# Altium PCB Excavator_PCB.PcbDoc
Units mm, origin at the board's own origin, x right, y up, seen from the top; angles counter-clockwise.
Board outline 89 x 93 mm, 2 copper layers (Top Layer, Bottom Layer); 49 components, 52 nets, 179 pads, 22 vias.
Unrouted connection lines stored in the file: 3.
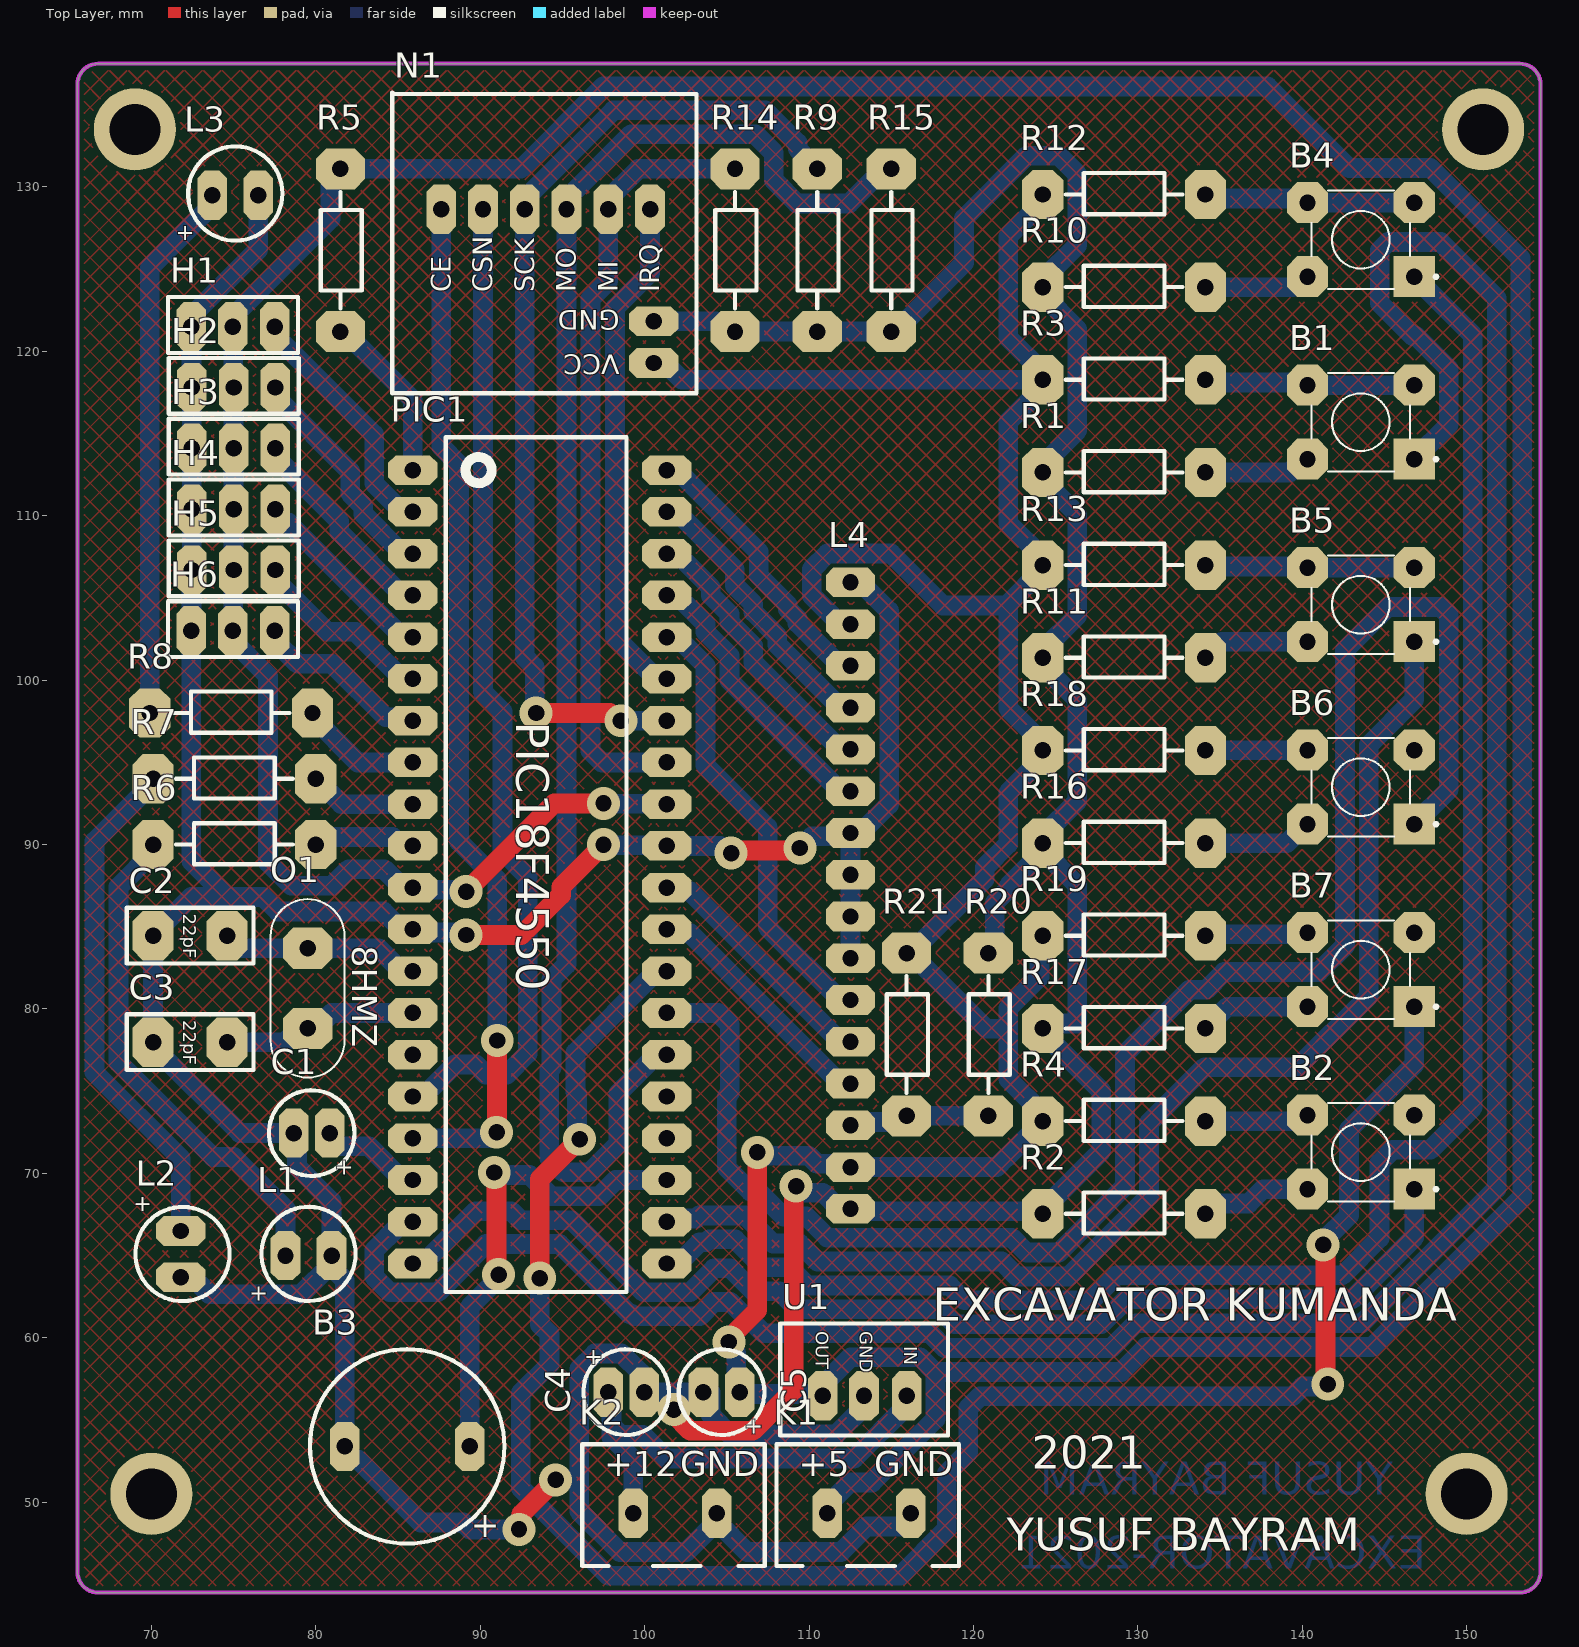
[diagram p0: Top Layer view]
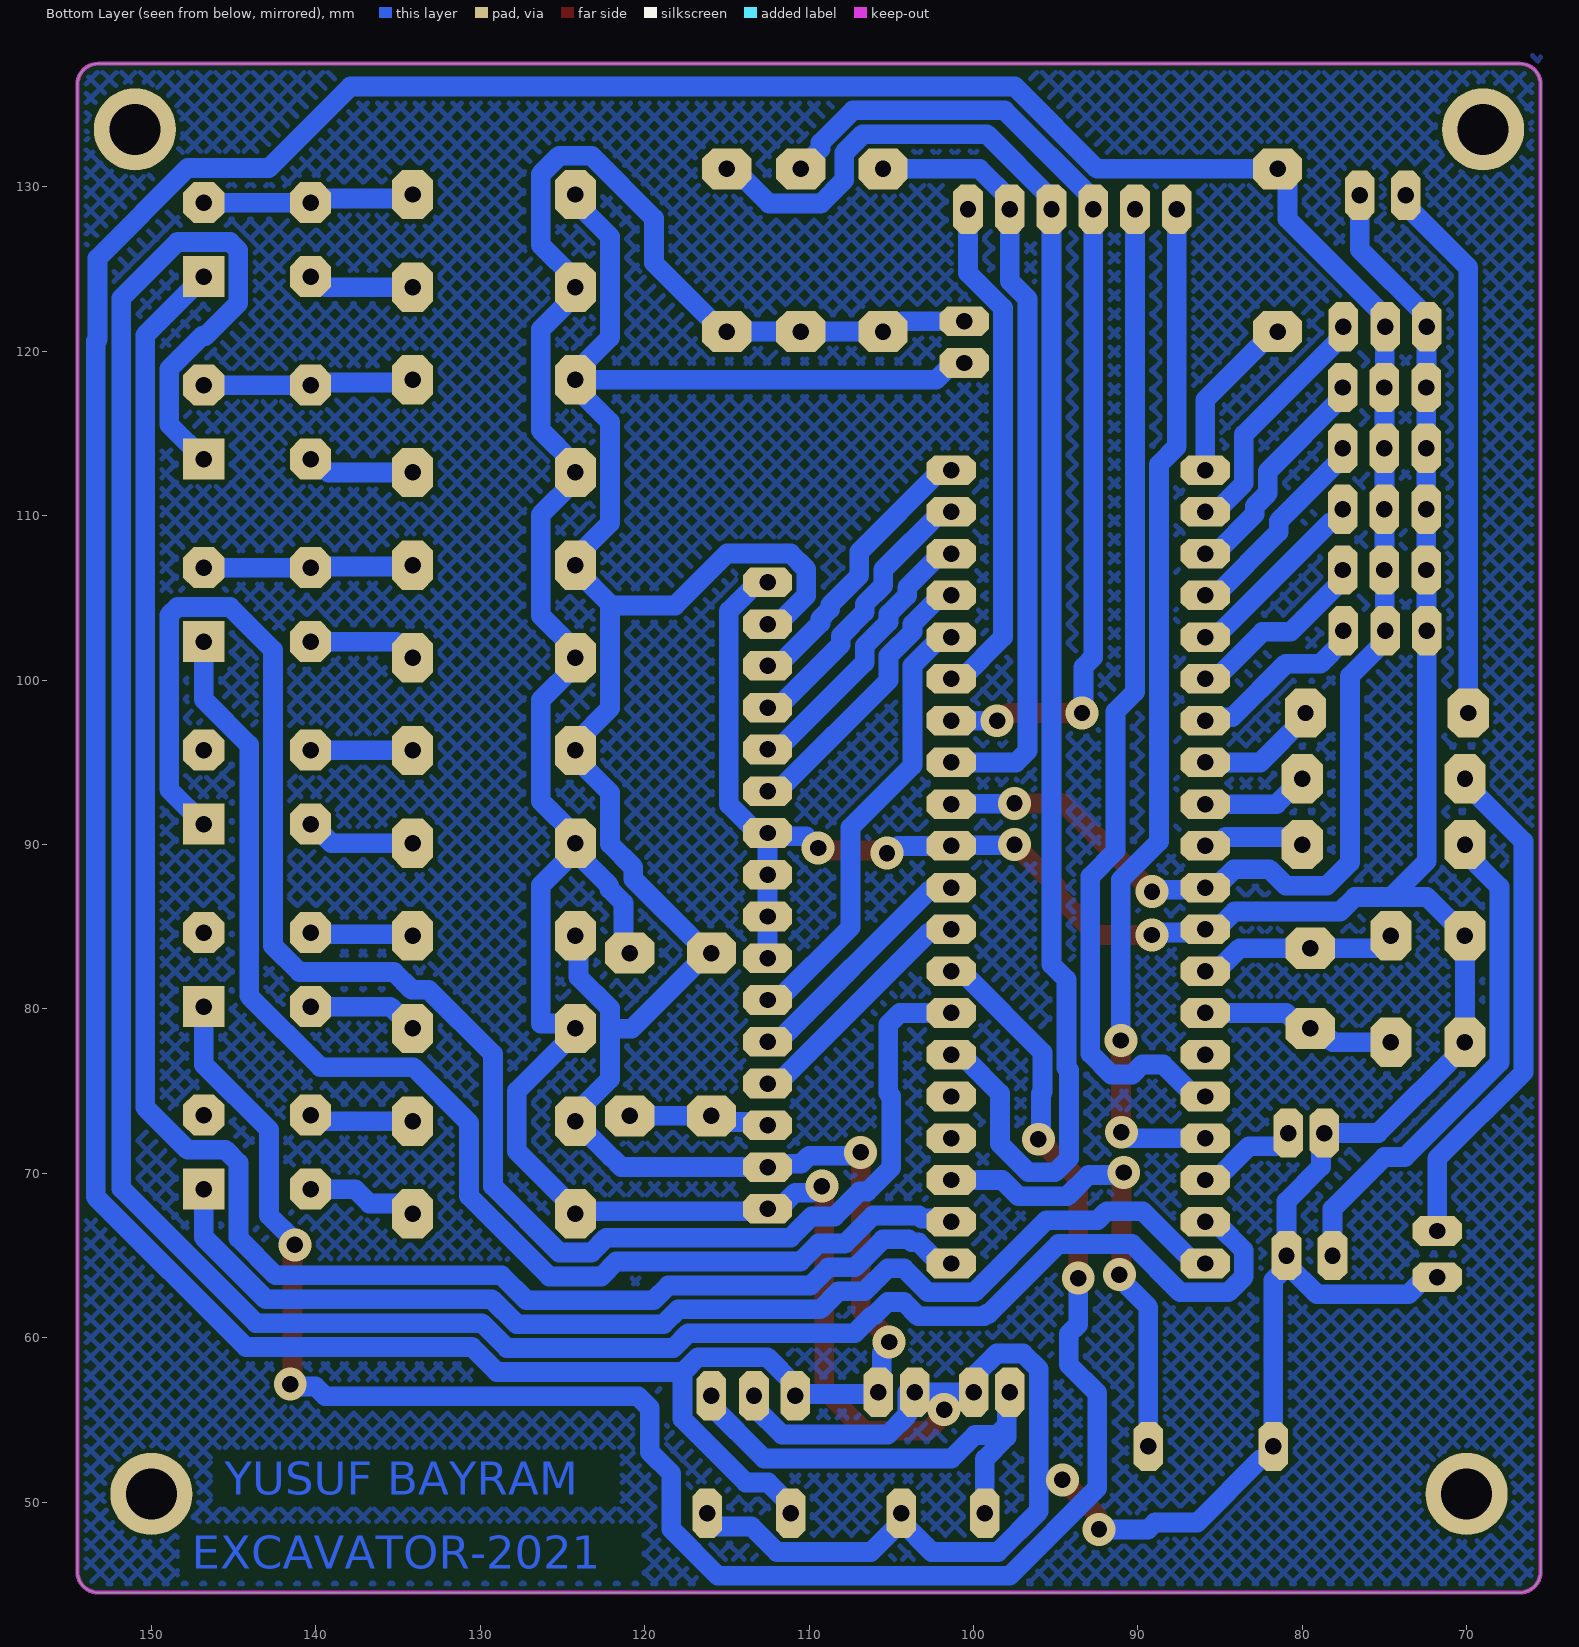
[diagram p1: Bottom Layer view, seen from below]
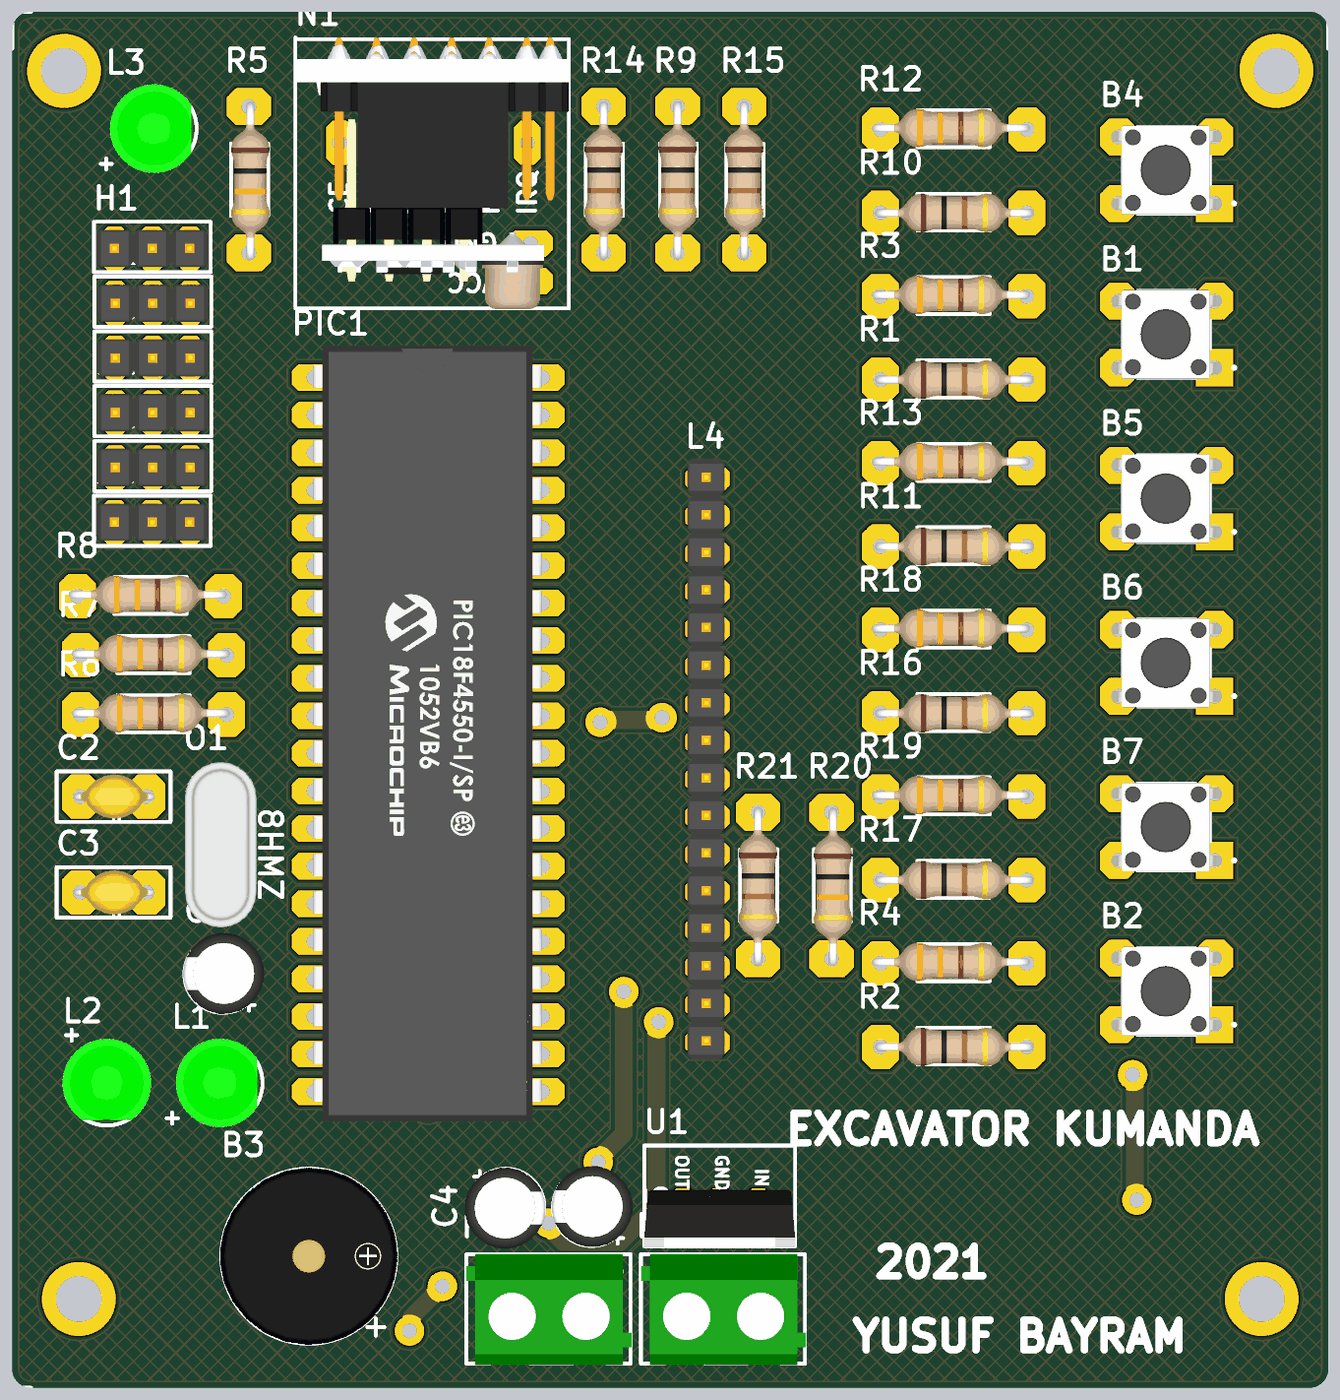
[diagram p2: 3D render of the assembled board from above, using the file's embedded part models]

## Layer stack, top to bottom
Top Solder: solder mask 0.0102, Solder Resist, Dk 3.5
Top Layer: signal copper 0.0356
Dielectric 1: dielectric 0.32, FR-4, Dk 4.8
Bottom Layer: signal copper 0.0356
Bottom Solder: solder mask 0.0102, Solder Resist, Dk 3.5

## Board outline
65.5,45.77 ccw(c66.77,45.77) 66.77,44.5 153.23,44.5 ccw(c153.23,45.77) 154.5,45.77 154.5,136.23 ccw(c153.23,136.23) 153.23,137.5 66.77,137.5 ccw(c66.77,136.23) 65.5,136.23

## Design rules (kind name [scope] priority, off if disabled: settings)
Clearance [All] p1: gap=0.254 ignorepadtopadclearanceinfootprint=FALSE except(0: Arc-Hole Track-Hole SMDPad-Hole THPad-Hole Via-Hole Fill-Hole Poly-Hole Region-Hole Text-Hole)
Height [All] p1: minheight=0 maxheight=50.8 prefheight=12.7
PolygonConnect [All] p1: connectstyle=Relief reliefconductorwidth=0.254 reliefentries=4 polygonreliefangle="90 Angle" airgapwidth=0.254
RoutingVias [All] p1: holewidth=0.711 width=1.27 viastyle="Through Hole" minholewidth=0.711 minwidth=1.27 maxholewidth=0.711 maxwidth=1.27
SolderMaskExpansion [All] p1: expansion=0.102 istentingtop=FALSE
Width [All] p1: maxlimit=3 minlimit=0.254 preferedwidth=1
29 further rules are at their usual default settings.

## Components (designator, comment, footprint, x,y, rotation, side; value= is the part's Value field where it differs from the comment)
B1 "BUTTON" BUTTON 146.771,113.495 r180 top
B2 "BUTTON" BUTTON 146.771,69.095 r180 top
B3 "BUZZER" buzzer 85.557,53.391 r180 top
B4 "BUTTON" BUTTON 146.771,124.595 r180 top
B5 "BUTTON" BUTTON 146.771,102.395 r180 top
B6 "BUTTON" BUTTON 146.771,91.295 r180 top
B7 "BUTTON" BUTTON 146.771,80.195 r180 top
C1 "0.47uF" CAP 82.15,75.05 r180 top
C2 "22pF" 22pF 73.504,84.455 r180 top
C3 "22pF" 22pF 73.504,77.978 r180 top
C4 "33uF" CAP 96.479,54.093 r0 top
C5 "22uF" CAP 107.08,59.293 r180 top
H1 "POT" HEADER1x3 72.42,121.5 r0 top
H2 "POT" HEADER1x3 72.46,117.8 r0 top
H3 "POT" HEADER1x3 72.46,114.1 r0 top
H4 "POT" HEADER1x3 72.46,110.4 r0 top
H5 "POT" HEADER1x3 72.46,106.7 r0 top
H6 "POT" HEADER1x3 72.42,103 r0 top
K1 "2LI" klemens2li 111.114,49.327 r0 top
K2 "2LI" klemens12V 99.306,49.327 r0 top
L1 "LED" LED_GREEN 85.658,65.1 r180 top
L2 "LED" LED_GREEN 71.892,58.993 r90 top
L3 "LED" LED_GREEN 81.2,129.6 r180 top
L4 "LCD" LCD_Header 112.422,67.943 r90 top
N1 "NRF" NRF24L01 102.15,103.251 r90 top
O1 "8MHZ" 8MHZ 79.472,81.3 r270 top
PIC1 "PIC" PIC18F4550 85.904,112.776 r270 top
R1 "4.7K" 1K_RES 125.315,113.132 r0 top
R2 "4.7K" 1K_RES 125.315,68.041 r0 top
R3 "330" 330_RES 125.315,118.768 r0 top
R4 "330" 330_RES 125.315,73.678 r0 top
R5 "10K" 10K_RES 82,130 r270 top
R6 "330" 330_RES 71.2,90.5 r0 top
R7 "330" 330_RES 71.2,94.5 r0 top
R8 "330" 330_RES 71,98.5 r0 top
R9 "1K" 1K_RES 111,130 r270 top
R10 "4.7K" 1K_RES 125.315,124.405 r0 top
R11 "4.7K" 1K_RES 125.315,101.859 r0 top
R12 "330" 330_RES 125.315,130.041 r0 top
R13 "330" 330_RES 125.315,107.496 r0 top
R14 "1K" 1K_RES 106,130 r270 top
R15 "1K" 1K_RES 115.5,130 r270 top
R16 "4.7K" 1K_RES 125.315,90.587 r0 top
R17 "4.7K" 1K_RES 125.315,79.314 r0 top
R18 "330" 330_RES 125.315,96.223 r0 top
R19 "330" 330_RES 125.315,84.95 r0 top
R20 "10K" 10K_RES 121.412,82.296 r270 top
R21 "1K" 1K_RES 116.434,82.296 r270 top
U1 "7805" 7805 112.246,58.464 r180 top

## Footprints (in the part's own frame and the unit in brackets; to place one, negate y for a bottom-side part, rotate by r counter-clockwise, add the part's x,y. Pads: shape width x height; smd on the part's side, far side on the other; paste and mask are expansions set on the pad)
1K_RES [mm]
  oct 2.5x3 hole 1: 1(-1.1,-0.5) 2(8.8,-0.5)
  silkscreen extent 0.3,-1.7 7.4,0.8, body extent -1.45,-1.8 9.26,0.8, height 2.69
8MHZ [mm]
  oct 2.5x3 hole 1: 1(-2.393,0.03) 2(2.487,0.03)
  silkscreen extent -5.38,-2.22 5.47,2.28, body extent -5.5,-2.3 5.7,2.55, height 4
10K_RES [mm]
  oct 2.5x3 hole 1: 1(-1.1,-0.5) 2(8.8,-0.5)
  silkscreen extent 0.3,-1.7 7.4,0.8, body extent -1.4,-1.7 9.31,0.9, height 2.7
22pF [mm]
  oct 2.5x3 hole 1: 1(-1.1,0) 2(3.4,0)
  silkscreen extent -2.7,-1.7 5,1.7, body extent -1.62,-1.5 3.82,1.5, height 4.47
330_RES [mm]
  oct 2.5x3 hole 1: 1(-1.1,-0.5) 2(8.8,-0.5)
  silkscreen extent 0.3,-1.7 7.4,0.8, body extent -1.71,-1.7 9,0.9, height 2.7
7805 [mm]
  oct 1.8x3 hole 1: 1(-3.7,2) 2(-1.1,2) 3(1.4,2)
  silkscreen extent -6.2,-2.4 4,4.4, body extent -6.21,0.55 4.01,4.5, height 20.55
BUTTON [mm]
  rect 2.5x2.5 hole 1: 1(-0.044,0.054)
  oct 2.5x2.5 hole 0.99: 2(6.456,0.054) 3(-0.044,-4.446) 4(6.456,-4.446)
  silkscreen extent -1.47,-5.19 6.2,0.8, body extent -0.59,-5.2 7.1,0.8, height 4.95
buzzer [mm]
  oct 1.8x3 hole 1: N(3.8,0) P(-3.8,0)
  silkscreen extent -5.91,-5.91 5.91,5.91, body extent -6,-6 6,6, height 9.5
CAP [mm]
  oct 1.8x3 hole 1: N(3.5,2.6) P(1.3,2.6)
  silkscreen extent -0.21,-0.01 5,5.21, body extent -0.4,-0.2 5.1,5.3, height 12.5
HEADER1x3 [mm]
  oct 1.8x3 hole 1: 0(0,0) 1(2.54,0) 2(5.08,0)
  silkscreen extent -1.4,-1.6 6.5,1.8, body extent -1.27,-1.27 6.35,1.27, height 9.5
klemens2li [mm]
  oct 1.8x3 hole 1: N(5.08,0) P(0,0)
  silkscreen extent -3.1,-3.2 8,4.2, body extent -3.08,-3.3 8.08,4.2, height 10
klemens12V [mm]
  oct 1.8x3 hole 1: N(5.08,0) P(0,0)
  silkscreen extent -3.1,-3.2 8,4.2, body extent -3.08,-3.3 8.08,4.2, height 10
LCD_Header [mm]
  oct 1.8x3 hole 1: 1(-0.1,-0.1) 2(2.44,-0.1) 3(4.98,-0.1) 4(7.52,-0.1) 5(10.06,-0.1) 6(12.6,-0.1) 7(15.14,-0.1) 8(17.68,-0.1) 9(20.22,-0.1) 10(22.76,-0.1) 11(25.3,-0.1) 12(27.84,-0.1) 13(30.38,-0.1) 14(32.92,-0.1) 15(35.46,-0.1) 16(38,-0.1)
  body extent -1.27,-1.27 39.37,1.27, height 9.5
LED_GREEN [mm]
  oct 1.8x3 hole 1: A(7.5,0.1) C(4.7,0.1)
  silkscreen extent 3.23,-2.86 8.96,2.86, body extent 3.6,-3 9.1,3, height 8.8
NRF24L01 [mm]
  oct 3x1.8 hole 1: 0(25.4,14.52) 1(25.4,11.98) 2(25.4,9.44) 3(25.4,6.9) 4(25.4,4.36) 5(25.4,1.82)
  oct 1.8x3 hole 1: 6(18.58,1.6) 7(16.04,1.6)
  silkscreen extent 14.2,-1 32.5,17.5, body extent 14.15,-1.1 32.5,17.5, height 46.5
PIC18F4550 [mm] "PIC18F4550"
  oct 1.8x3 hole 1: 1(0,0) 2(2.54,0) 3(5.08,0) 4(7.62,0) 5(10.16,0) 6(12.7,0) 7(15.24,0) 8(17.78,0) 9(20.32,0) 10(22.86,0) 11(25.4,0) 12(27.94,0) 13(30.48,0) 14(33.02,0) 15(35.56,0) 16(38.1,0) 17(40.64,0) 18(43.18,0) 19(45.72,0) 20(48.26,0) 21(48.26,15.45) 22(45.72,15.45) 23(43.18,15.45) 24(40.64,15.45) 25(38.1,15.45) 26(35.56,15.45) 27(33.02,15.45) 28(30.48,15.45) 29(27.94,15.45) 30(25.4,15.45) 31(22.86,15.45) 32(20.32,15.45) 33(17.78,15.45) 34(15.24,15.45) 35(12.7,15.45) 36(10.16,15.45) 37(7.62,15.45) 38(5.08,15.45) 39(2.54,15.45) 40(0,15.45)
  silkscreen extent -2,2 50,13, body extent -2.17,-0.07 50.27,15.42, height 5.7

## Part data
H1 H2 H3 H4 H5 H6: library part POT_HEADER
K1: library part KLEMENS2LI
K2: library part KLEMENS12V
L1 L2 L3: library part LED_GREEN
L4: library part LCD_HEADER
N1: library part NRF24L01
PIC1: library part PIC18f4550
R1 R2 R10 R11 R16 R17: library part 4.7K_RES
R3 R4 R6 R7 R8 R12 R13 R18 R19: library part 330_RES
R5 R20: library part 10K_RES
R9 R14 R15 R21: library part 1K_RES

## Free pads (board coordinates)
  round 5 hole 3.1: ""(69,133.5) ""(70,50.5) ""(150,50.5) ""(151,133.5)

## Via types
v1: diameter 2, hole 1, Top Layer to Bottom Layer, 22 vias

## Nets (pads, with @x,y where several pads share a name; then routed paths per layer and width w, separated by ;. In a path a pad name is that pad's centre, name@x,y a point inside that pad or via, vN(x,y) a via of type N, cw(c..) or ccw(c..) an arc to the next point about the centre after c; other vN are vias at no path point)
+5: C5.P H1.1 H2.1 H3.1 H4.1 H5.1 H6.1 K1.P L4.2 L4.15 N1.7 PIC1.11 PIC1.32 R3.1 R4.1 R5.1 R12.1 R13.1 R18.1 R19.1 R21.1 U1.3 | length 426.6
  Top Layer w1.2: v1(89.139,87.139) 94.5,92.5 v1(97.5,92.5) ; v1(105.131,59.741) 105.131,59.958 106.858,61.685 v1(106.858,71.272)
  Bottom Layer w1.2: PIC1.11@85.044,87.618 84.162,88.5 82,88.5 81,87.5 78.5,87.5 77.091,88.909 77.091,100.251 74.96,102.382 H6.1 74.98,103.02 74.98,106.68 H5.1 H4.1 H3.1 H2.1 74.98,117.82 74.98,121.48 H1.1 74.96,122.118 80.892,128.05 80.892,130.492 R5.1 92.472,131.1 97.484,136.112 137.888,136.112 142.855,131.145 147.794,131.145 153.281,125.658 153.281,120.719 153.385,120.615 153.385,68.572 144.249,59.436 130.503,59.436 128.984,57.917 117.65,57.917 ; PIC1.11 86.022,87.258 89.021,87.258 v1(89.139,87.139) ; v1(97.5,92.5) 97.522,92.478 101.332,92.478 PIC1.32 ; N1.7 101.249,119.291 102.271,118.268 R3.1 ; v1(105.131,59.741) 105.131,59.525 105.578,59.077 105.578,56.894 105.894,56.579 U1.3@110.731,56.579 ; v1(106.858,71.272) 107.074,71.272 107.268,71.078 109.987,71.078 110.48,70.585 112.321,70.585 L4.2 121.421,70.383 122.023,70.986 122.039,70.986 124.215,73.161 124.215,73.64 122.111,75.744 122.111,78.791 ; U1.3 110.846,57.122 112.542,58.818 116.749,58.818 117.65,57.917 ; K1.P 111.114,49.828 112.487,51.202 113.841,51.202 117.7,55.06 117.7,57.868 117.65,57.917 ; L4.15 112.28,103.645 111.662,103.645 110.168,105.14 110.168,106.747 111.118,107.697 114.981,107.697 118.142,104.535 122.005,104.535 124.215,106.746 R13.1 124.215,107.458 122.111,109.562 122.111,115.702 124.215,117.806 R3.1 ; R21.1 R21.1@116.184,83.396 ; 122.111,104.429 122.111,98.29 124.215,96.186 R18.1 124.215,95.26 122.111,93.156 122.111,90.039 120.691,88.619 120.691,87.903 R21.1@116.184,83.396 ; R19.1 124.018,84.253 124.018,81.949 122.111,80.043 122.111,78.791 ; R12.1 124.215,129.079 122.111,126.975 122.111,120.835 124.215,118.731 R3.1 ; R21.1@116.184,83.396 120.789,78.791 122.111,78.791
GND: B3.N C1.N C2.2 C3.2 C4.N C5.N H1.0 H2.0 H3.0 H4.0 H5.0 H6.0 K1.N K2.N L1.C L2.C L3.C L4.1 L4.7 L4.8 L4.9 L4.10 L4.16 N1.6 PIC1.12 PIC1.31 R1.1 R2.1 R9.2 R10.1 R11.1 R14.2 R15.2 R16.1 R17.1 R20.1 U1.2 | length 393.7
  Top Layer w1.2: v1(89.146,84.5) 92.5,84.5 94.923,86.923 94.923,87.423 v1(97.5,90) ; v1(92.361,48.343) 92.515,48.496 92.515,49.284 v1(94.59,51.359) ; v1(101.78,55.63) 101.78,55.335 102.776,54.339 106.583,54.339 109.068,56.823 109.068,69.073 v1(109.219,69.224) ; v1(105.258,89.484) 105.41,89.637 109.296,89.637 v1(109.449,89.789)
  Bottom Layer w1.2: L2.C 72.491,63.693 73.538,62.646 79.105,62.646 L1.C@80.958,64.499 ; L3.C 76.5,126.198 72.42,122.118 H1.0 72.44,121.48 72.44,117.82 H2.0 H3.0 H4.0 H5.0 72.44,106.68 72.44,103.02 H6.0 72.42,89 74.611,86.809 ; v1(89.146,84.5) 88.993,84.653 86.087,84.653 PIC1.12 85.205,84.836 84.119,85.922 77.689,85.922 76.802,86.809 74.611,86.809 ; v1(92.361,48.343) 89.386,48.343 88.961,48.768 86.38,48.768 82.559,52.589 82.057,52.589 81.757,52.889 B3.N 81.757,63.502 80.958,64.301 L1.C@80.958,64.499 ; v1(94.59,51.359) 96.025,51.359 ; v1(97.5,90) 97.542,89.958 101.312,89.958 PIC1.31 104.609,89.916 105.041,89.484 v1(105.258,89.484) ; N1.6 104.345,121.831 104.976,121.2 R14.2 R9.2 R15.2 115.25,121.2 119.431,125.381 119.431,128.09 123.236,131.895 125.194,131.895 126.319,130.77 126.319,126.471 124.215,124.367 R10.1 124.215,123.442 126.319,121.338 126.319,115.199 124.215,113.095 R1.1 124.215,112.17 126.319,110.066 126.319,103.926 124.215,101.822 R11.1 124.215,100.897 126.319,98.793 126.319,92.653 124.215,90.549 R16.1 R16.1@124.215,89.624 ; v1(101.78,55.63) v1(101.78,55.63) 101.779,56.693 ; C5.N 101.779,56.693 ; C5.N@104.026,56.693 104.026,55.289 105.205,54.11 111.649,54.11 113.346,55.806 U1.2 ; K2.N K2.N@104.386,48.826 ; v1(109.219,69.224) 109.435,69.224 109.835,68.824 110.842,68.824 111.823,67.843 L4.1 112.673,67.692 124.064,67.692 R2.1 124.215,67.789 127.773,71.347 127.773,75.009 124.215,78.567 R17.1 124.511,79.11 126.319,79.11 126.319,87.52 R16.1@124.215,89.624 ; v1(109.449,89.789) 109.468,89.789 110.18,90.502 112.321,90.502 L4.10 ; L4.7 L4.8 L4.9 L4.10 ; L4.16 113.14,105.943 114.876,104.207 114.876,92.44 113.14,90.703 L4.10 ; K1.N 116.194,48.826 115.894,48.526 113.494,48.526 111.941,46.973 106.238,46.973 K2.N@104.386,48.826 ; R20.1 121.29,83.774 121.29,86.446 122.145,87.301 122.145,87.493 124.215,89.563 R16.1@124.215,89.624 ; 74.611,86.809 72.421,86.809 70.104,84.492 C2.2 C3.2 70.104,77.728 75.382,72.45 C1.N 78.851,72.249 78.851,70.406 80.958,68.3 L1.C L1.C@80.958,64.499 ; 96.025,51.359 96.025,49.45 98.502,46.973 102.533,46.973 K2.N@104.386,48.826 ; 96.025,51.359 96.025,53.086 96.025,58.097 96.975,59.047 98.582,59.047 99.777,57.852 99.777,56.894 C4.N 101.779,56.693
NetB1_1: B1.1 PIC1.19 | length 160.3
  Bottom Layer w1.2: PIC1.19 85.662,66.814 85.044,66.814 83.55,65.32 83.55,63.712 84.5,62.762 87.421,62.762 90.359,65.7 94.825,65.7 99.083,61.443 99.213,61.443 99.348,61.308 103.36,61.308 104.221,62.169 105.215,62.169 106.01,61.373 106.121,61.373 107.222,60.272 117.352,60.272 118.253,59.371 128.382,59.371 129.901,60.89 143.647,60.89 151.827,69.07 151.827,123.237 148.419,126.645 145.211,126.645 144.711,126.145 144.711,122.937 146.72,120.929 146.91,120.929 148.919,118.92 148.919,115.545 B1.1
NetB1_2: B1.2 R1.2 | length 6.5
  Bottom Layer w1.2: R1.2 139.232,112.632 140.041,113.441 B1.2
NetB1_3: B1.3 B1.4 R3.2 | length 12.8
  Bottom Layer w1.2: R3.2 134.279,118.105 140.151,118.105 B1.4 B1.3
NetB2_1: B2.1 PIC1.20 | length 71.4
  Bottom Layer w1.2: PIC1.20 86.145,64.758 86.763,64.758 89.707,67.702 91.887,67.702 92.435,67.154 95.558,67.154 99.95,62.762 102.757,62.762 104.221,64.225 105.215,64.225 106.613,62.827 108.211,62.827 109.313,61.726 117.954,61.726 118.855,60.825 127.78,60.825 129.298,62.344 143.044,62.344 146.815,66.115 B2.1
NetB2_2: B2.2 R2.2 | length 6.8
  Bottom Layer w1.2: R2.2 134.741,68.168 136.741,68.168 137.615,69.041 B2.2
NetB2_3: B2.3 B2.4 R4.2 | length 6.4
  Bottom Layer w1.2: R4.2 139.853,73.178 140.216,73.541 B2.4
NetB3_P: B3.P PIC1.23 | length 29
  Top Layer w1.2: v1(90.856,70.053) 90.989,69.92 90.989,63.976 v1(91.123,63.842)
  Bottom Layer w1.2: B3.P 89.357,61.86 91.123,63.626 v1(91.123,63.842) ; v1(90.856,70.053) 91.009,69.9 93.002,69.9 94.293,68.608 97.256,68.608 98.244,69.596 PIC1.23
NetB4_1: B4.1 PIC1.21 | length 110.7
  Bottom Layer w1.2: PIC1.21 102.052,64.516 103.34,65.803 103.743,65.803 103.925,65.986 105.51,65.986 107.215,64.281 108.814,64.281 109.915,63.18 118.556,63.18 119.457,62.279 127.177,62.279 128.696,63.798 142.442,63.798 144.704,66.06 144.704,70.638 145.503,71.437 147.794,71.437 150.373,74.016 150.373,120.983 B4.1
NetB4_2: B4.2 R10.2 | length 6.5
  Bottom Layer w1.2: R10.2 139.405,123.905 140.041,124.541 B4.2
NetB4_3: B4.3 B4.4 R12.2 | length 12.9
  Bottom Layer w1.2: R12.2 134.365,129.291 140.065,129.291 B4.4 B4.3
NetB5_1: B5.1 PIC1.22 | length 76.8
  Bottom Layer w1.2: PIC1.22 101.555,67.257 103.14,67.257 103.323,67.44 106.112,67.44 107.817,65.735 109.416,65.735 109.715,65.437 110.516,64.635 121.732,64.635 122.634,63.733 125.796,63.733 127.499,65.437 130.681,68.618 130.681,73.076 134.065,76.46 139.716,76.46 144.054,80.798 144.054,96.063 146.815,98.824 B5.1
NetB5_2: B5.2 R11.2 | length 6.6
  Bottom Layer w1.2: R11.2 134.139,101.359 135.12,102.341 B5.2
NetB5_3: B5.3 B5.4 R13.2 | length 12.8
  Bottom Layer w1.2: R13.2 134.192,106.918 140.238,106.918 B5.4 B5.3
NetB6_1: B6.1 PIC1.27 | length 104.2
  Bottom Layer w1.2: PIC1.27 104.478,79.756 105.181,79.053 105.181,74.868 105.004,74.69 105.004,70.335 106.444,68.894 106.927,68.894 108.451,67.37 109.837,67.37 111.118,66.089 122.334,66.089 123.236,65.187 125.194,65.187 129.227,69.22 129.227,77.259 133.136,81.168 134.165,81.168 135.243,82.245 141.002,82.245 142.6,83.844 142.6,101.834 145.211,104.445 148.419,104.445 148.919,103.945 148.919,93.345 B6.1
NetB6_2: B6.2 R16.2 | length 6.7
  Bottom Layer w1.2: R16.2 139.062,90.087 140.216,91.241 B6.2
NetB6_3: B6.3 B6.4 R18.2 | length 6.2
  Bottom Layer w1.2: R18.2 134.124,95.732 140.306,95.732 B6.4
NetB7_1: B7.1 PIC1.28 | length 121.2
  Top Layer w1.2: v1(93.624,63.627) 93.624,69.655 v1(96.047,72.077) ; v1(141.275,65.652) 141.414,65.512 141.414,57.322 v1(141.554,57.183)
  Bottom Layer w1.2: v1(93.624,63.627) 93.624,60.811 94.209,60.227 94.209,58.378 92.466,56.635 92.466,50.861 97.808,45.519 115.543,45.519 118.375,48.351 118.375,51.74 119.685,53.05 119.685,55.736 120.388,56.439 139.421,56.439 140.011,57.03 141.401,57.03 v1(141.554,57.183) ; v1(96.047,72.077) 95.894,72.23 95.894,74.852 95.796,74.95 95.796,77.356 100.494,82.054 101.112,82.054 PIC1.28 ; v1(141.275,65.652) 141.275,65.868 142.85,67.443 142.85,72.659 146.815,76.624 B7.1
NetB7_2: B7.2 R17.2 | length 6.7
  Bottom Layer w1.2: R17.2 134.139,78.814 135.466,80.141 B7.2
NetB7_3: B7.3 B7.4 R19.2 | length 6.3
  Bottom Layer w1.2: R19.2 134.21,84.546 140.22,84.546 B7.4
NetC1_P: C1.P PIC1.18 | length 6.5
  Bottom Layer w1.2: C1.P 80.85,71.949 81.15,71.649 83.233,71.649 85.286,69.596 PIC1.18
NetC2_1: C2.1 O1.1 PIC1.13 | length 12.2
  Bottom Layer w1.2: C2.1 74.628,84.455 75.39,83.693 O1.1 83.808,83.693 85.205,82.296 PIC1.13
NetC3_1: C3.1 O1.2 PIC1.14 | length 12
  Bottom Layer w1.2: C3.1 78.143,77.978 78.978,78.813 O1.2 80.026,78.813 80.969,79.756 PIC1.14
NetC4_P: C4.P K2.P U1.1 | length 28.7
  Bottom Layer w1.2: C4.P 97.98,56.492 97.98,54.667 ; K2.P 99.306,52.627 97.98,53.953 97.98,54.667 ; U1.1 115.946,55.864 112.738,52.656 101.333,52.656 99.908,54.081 98.566,54.081 97.98,54.667
NetH1_2: H1.2 PIC1.2 | length 15.1
  Bottom Layer w1.2: H1.2 77.5,120.998 83.55,114.948 83.55,111.972 85.286,110.236 PIC1.2
NetH2_2: H2.2 PIC1.3 | length 13.9
  Bottom Layer w1.2: H2.2 77.54,117.258 82.096,112.702 82.096,111.37 82.886,110.58 82.886,110.096 85.286,107.696 PIC1.3
NetH3_2: H3.2 PIC1.4 | length 12.8
  Bottom Layer w1.2: H3.2 77.54,113.558 81.432,109.666 81.432,109.01 85.286,105.156 PIC1.4
NetH4_2: H4.2 PIC1.5 | length 11.9
  Bottom Layer w1.2: H4.2 77.54,109.899 77.84,109.599 78.303,109.599 85.286,102.616 PIC1.5
NetH5_2: H5.2 PIC1.6 | length 11.4
  Bottom Layer w1.2: H5.2 77.8,106.44 77.8,105.858 80.718,102.94 82.422,102.94 85.286,100.076 PIC1.6
NetH6_2: H6.2 PIC1.7 | length 11
  Bottom Layer w1.2: H6.2 77.5,102.4 78.9,101 81,101 84.263,97.737 85.702,97.737 PIC1.7
NetL1_A: L1.A R6.1 | length 30.8
  Bottom Layer w1.2: R6.1 70.1,89.529 68,87.429 68,76.749 73.753,70.996 75.004,70.996 78.158,67.842 L1.A
NetL2_A: L2.A R7.1 | length 31.2
  Bottom Layer w1.2: R7.1 70.1,93.75 66.546,90.196 66.546,76.147 71.792,70.901 L2.A
NetL3_A: L3.A R8.1 | length 33.1
  Bottom Layer w1.2: R8.1 69.9,125.1 73.7,128.9 L3.A
NetL4_3: L4.3 R20.2 R21.2 | length 8.6
  Bottom Layer w1.2: L4.3 112.723,73.125 115.562,73.125 R21.2 R20.2
NetL4_4: L4.4 PIC1.29 | length 15.1
  Bottom Layer w1.2: PIC1.29 101.555,84.635 102.733,84.635 111.904,75.463 L4.4
NetL4_5: L4.5 PIC1.30 | length 15.1
  Bottom Layer w1.2: PIC1.30 101.555,87.175 102.733,87.175 111.904,78.003 L4.5
NetL4_6: L4.6 PIC1.36 | length 27.4
  Bottom Layer w1.2: PIC1.36 101.595,102.374 102.213,102.374 103.708,100.88 103.708,94.81 107.483,91.034 107.483,84.964 111.904,80.543 L4.6
NetL4_11: L4.11 PIC1.37 | length 17.3
  Bottom Layer w1.2: PIC1.37 101.595,104.914 102.213,104.914 103.708,103.42 103.708,102.936 105.162,101.482 105.162,99.986 111.662,93.485 112.28,93.485 L4.11
NetL4_12: L4.12 PIC1.38 | length 17.3
  Bottom Layer w1.2: PIC1.38 101.971,107.696 104.03,105.638 104.03,105.154 105.162,104.022 105.162,103.538 106.616,102.084 106.616,101.072 111.662,96.025 112.28,96.025 L4.12
NetL4_13: L4.13 PIC1.39 | length 17.3
  Bottom Layer w1.2: PIC1.39 101.971,110.236 105.484,106.724 105.484,105.756 106.616,104.624 106.616,104.141 108.07,102.687 108.07,102.158 111.662,98.565 112.28,98.565 L4.13
NetL4_14: L4.14 PIC1.40 | length 17.3
  Bottom Layer w1.2: PIC1.40 101.971,112.776 106.938,107.81 106.938,106.358 108.714,104.582 108.714,104.318 109.3,103.732 109.3,103.468 111.662,101.105 112.28,101.105 L4.14
NetN1_0: N1.0 PIC1.17 | length 62.8
  Top Layer w1.2: v1(91,72.5) 91.017,72.517 91.017,78.063 v1(91.034,78.08)
  Bottom Layer w1.2: PIC1.17 90.617,72.136 90.981,72.5 v1(91,72.5) ; N1.0 87.63,114.207 88.716,113.121 88.716,90.184 91.034,87.866 v1(91.034,78.08)
NetN1_1: N1.1 PIC1.16 | length 61.1
  Bottom Layer w1.2: PIC1.16 86.145,74.918 86.763,74.918 88.46,76.615 89.737,76.615 90.34,76.011 91.617,76.011 92.888,77.282 92.888,88.069 91.354,89.602 91.354,98.09 90.17,99.274 N1.1
NetN1_2: N1.2 PIC1.34 R9.1 | length 61.4
  Top Layer w1.2: v1(93.396,98) 97.872,98 98.342,97.53 v1(98.558,97.53)
  Bottom Layer w1.2: v1(93.396,98) 93.31,98.086 93.31,100.8 92.71,101.4 N1.2 92.71,129.269 98.099,134.658 107.331,134.658 109.308,132.681 109.308,132.316 110.5,131.124 R9.1 ; v1(98.558,97.53) 98.561,97.533 101.351,97.533 PIC1.34
NetN1_3: N1.3 PIC1.26 R15.1 | length 96
  Bottom Layer w1.2: PIC1.26 101.112,76.974 100.494,76.974 98.389,74.869 98.389,71.798 96.654,70.062 95.045,70.062 94.193,70.914 94.193,76.279 94.342,76.428 94.342,81.793 95.25,82.702 N1.3 95.25,129.269 99.185,133.204 106.729,133.204 107.854,132.079 107.854,130.413 109.271,128.996 112.433,128.996 114.537,131.1 R15.1
NetN1_4: N1.4 PIC1.33 R14.1 | length 47.4
  Bottom Layer w1.2: PIC1.33 97.407,94.996 96.704,95.699 96.704,123.199 97.79,124.285 N1.4 97.79,129.269 99.621,131.1 R14.1
NetN1_5: N1.5 PIC1.35 | length 31.1
  Bottom Layer w1.2: N1.5 100.33,124.769 98.196,122.635 98.196,102.616 100.736,100.076 PIC1.35
NetPIC1_1: PIC1.1 R5.2 | length 10.4
  Bottom Layer w1.2: R5.2 81.75,121.2 85.904,117.046 PIC1.1
NetPIC1_8: PIC1.8 R8.2 | length 7.5
  Bottom Layer w1.2: R8.2 79.8,97.75 82.554,94.996 PIC1.8
NetPIC1_9: PIC1.9 R7.2 | length 6.8
  Bottom Layer w1.2: R7.2 80.024,94 81.568,92.456 PIC1.9 PIC1.9@85.702,92.657
NetPIC1_10: PIC1.10 R6.2 | length 6.3
  Bottom Layer w1.2: R6.2 80.454,90.454 84.667,90.454 85.205,89.916 PIC1.10
pads on no net: PIC1.15 PIC1.24 PIC1.25

## Polygon pours and split planes (outlines as drawn)
no net on Bottom Layer "NONET_L02_P001" (hatched 45Degree grid 0.808 track 0.303, pour order 1): 65.5,138 65.5,44.5 154.5,44.5 154.5,137.5
no net on Top Layer "NONET_L01_P003" (hatched 45Degree grid 0.808 track 0.103, pour order 3): 65.5,137.5 154.5,137.5 154.5,44.5 65.5,44.5

## Keep-outs
Keep-Out Layer:
  lines w0.254: 65.5,45.77 ccw(c66.77,45.77) 66.77,44.5 97,44.5 153.23,44.5 ccw(c153.23,45.77) 154.5,45.77 154.5,136.23 ccw(c153.23,136.23) 153.23,137.5 66.77,137.5 ccw(c66.77,136.23) 65.5,136.23 65.5,45.77

## Other copper
Bottom Layer:
  text "YUSUF BAYRAM" at 145.546,50.454 h2
  text "EXCAVATOR-2021" at 147.546,45.954 h2

## Silkscreen, mask and mechanical layers (free items; w line width, h text height)
Top Overlay:
  text "EXCAVATOR KUMANDA" at 117.54,61.04 h2
  text "2021" at 123.54,52.04 h2
  text "YUSUF BAYRAM" at 122.04,47.04 h2

## Dimensions
66.77,137.5 to 66.77,44.5 on Top Paste
154.5,136.23 to 65.5,136.23 on Top Paste
65.5,135 to 154.5,136.23 on Top Overlay
66.77,137.5 to 66.77,44.5 on Top Overlay

## Text inside footprints (layer, text, board x,y; h text height)
B3: Top Overlay "+" at 91.203,49.191 h1.52 r180
C1: Top Overlay "+" at 82.296,70.763 h1 r180
C4: Top Overlay "+" at 96.333,58.38 h1
C5: Top Overlay "+" at 107.226,55.006 h1 r180
K1: Top Overlay "GND" at 113.968,51.581 h1.52; Top Overlay "+5" at 109.368,51.581 h1.52
K2: Top Overlay "GND" at 102.16,51.581 h1.52; Top Overlay "+12" at 97.56,51.581 h1.52
L1: Top Overlay "+" at 77.104,63.113 h1 r180
L2: Top Overlay "+" at 69.905,67.547 h1 r90
L3: Top Overlay "+" at 72.646,127.613 h1 r180
N1: Top Overlay "GND" at 98.496,122.497 h1.2 r180; Top Overlay "VCC" at 98.496,119.797 h1.2 r180; Top Overlay "IRQ" at 100.896,123.605 h1.2 r90; Top Overlay "MI" at 98.356,123.605 h1.2 r90; Top Overlay "MO" at 95.816,123.605 h1.2 r90; Top Overlay "SCK" at 93.276,123.605 h1.2 r90; Top Overlay "CSN" at 90.736,123.605 h1.2 r90; Top Overlay "CE" at 88.196,123.605 h1.2 r90
O1: Top Overlay "8HMZ" at 82.226,83.846 h1.52 r270
PIC1: Top Overlay "PIC18F4550" at 92.204,97.476 h2 r270
U1: Top Overlay "OUT" at 110.4,60.41 h0.8 r270; Top Overlay "GND" at 113.1,60.41 h0.8 r270; Top Overlay "IN" at 115.8,59.477 h0.8 r270